# Altium PCB 4G_V4.1_5X4.PcbDoc (part 4 of 4)
Units mm, origin at the board's own origin, x right, y up, seen from the top; angles counter-clockwise.
Board outline 189.75 x 201.25 mm, 2 copper layers (Top Layer, Bottom Layer); 760 components, 0 nets, 5752 pads, 780 vias.
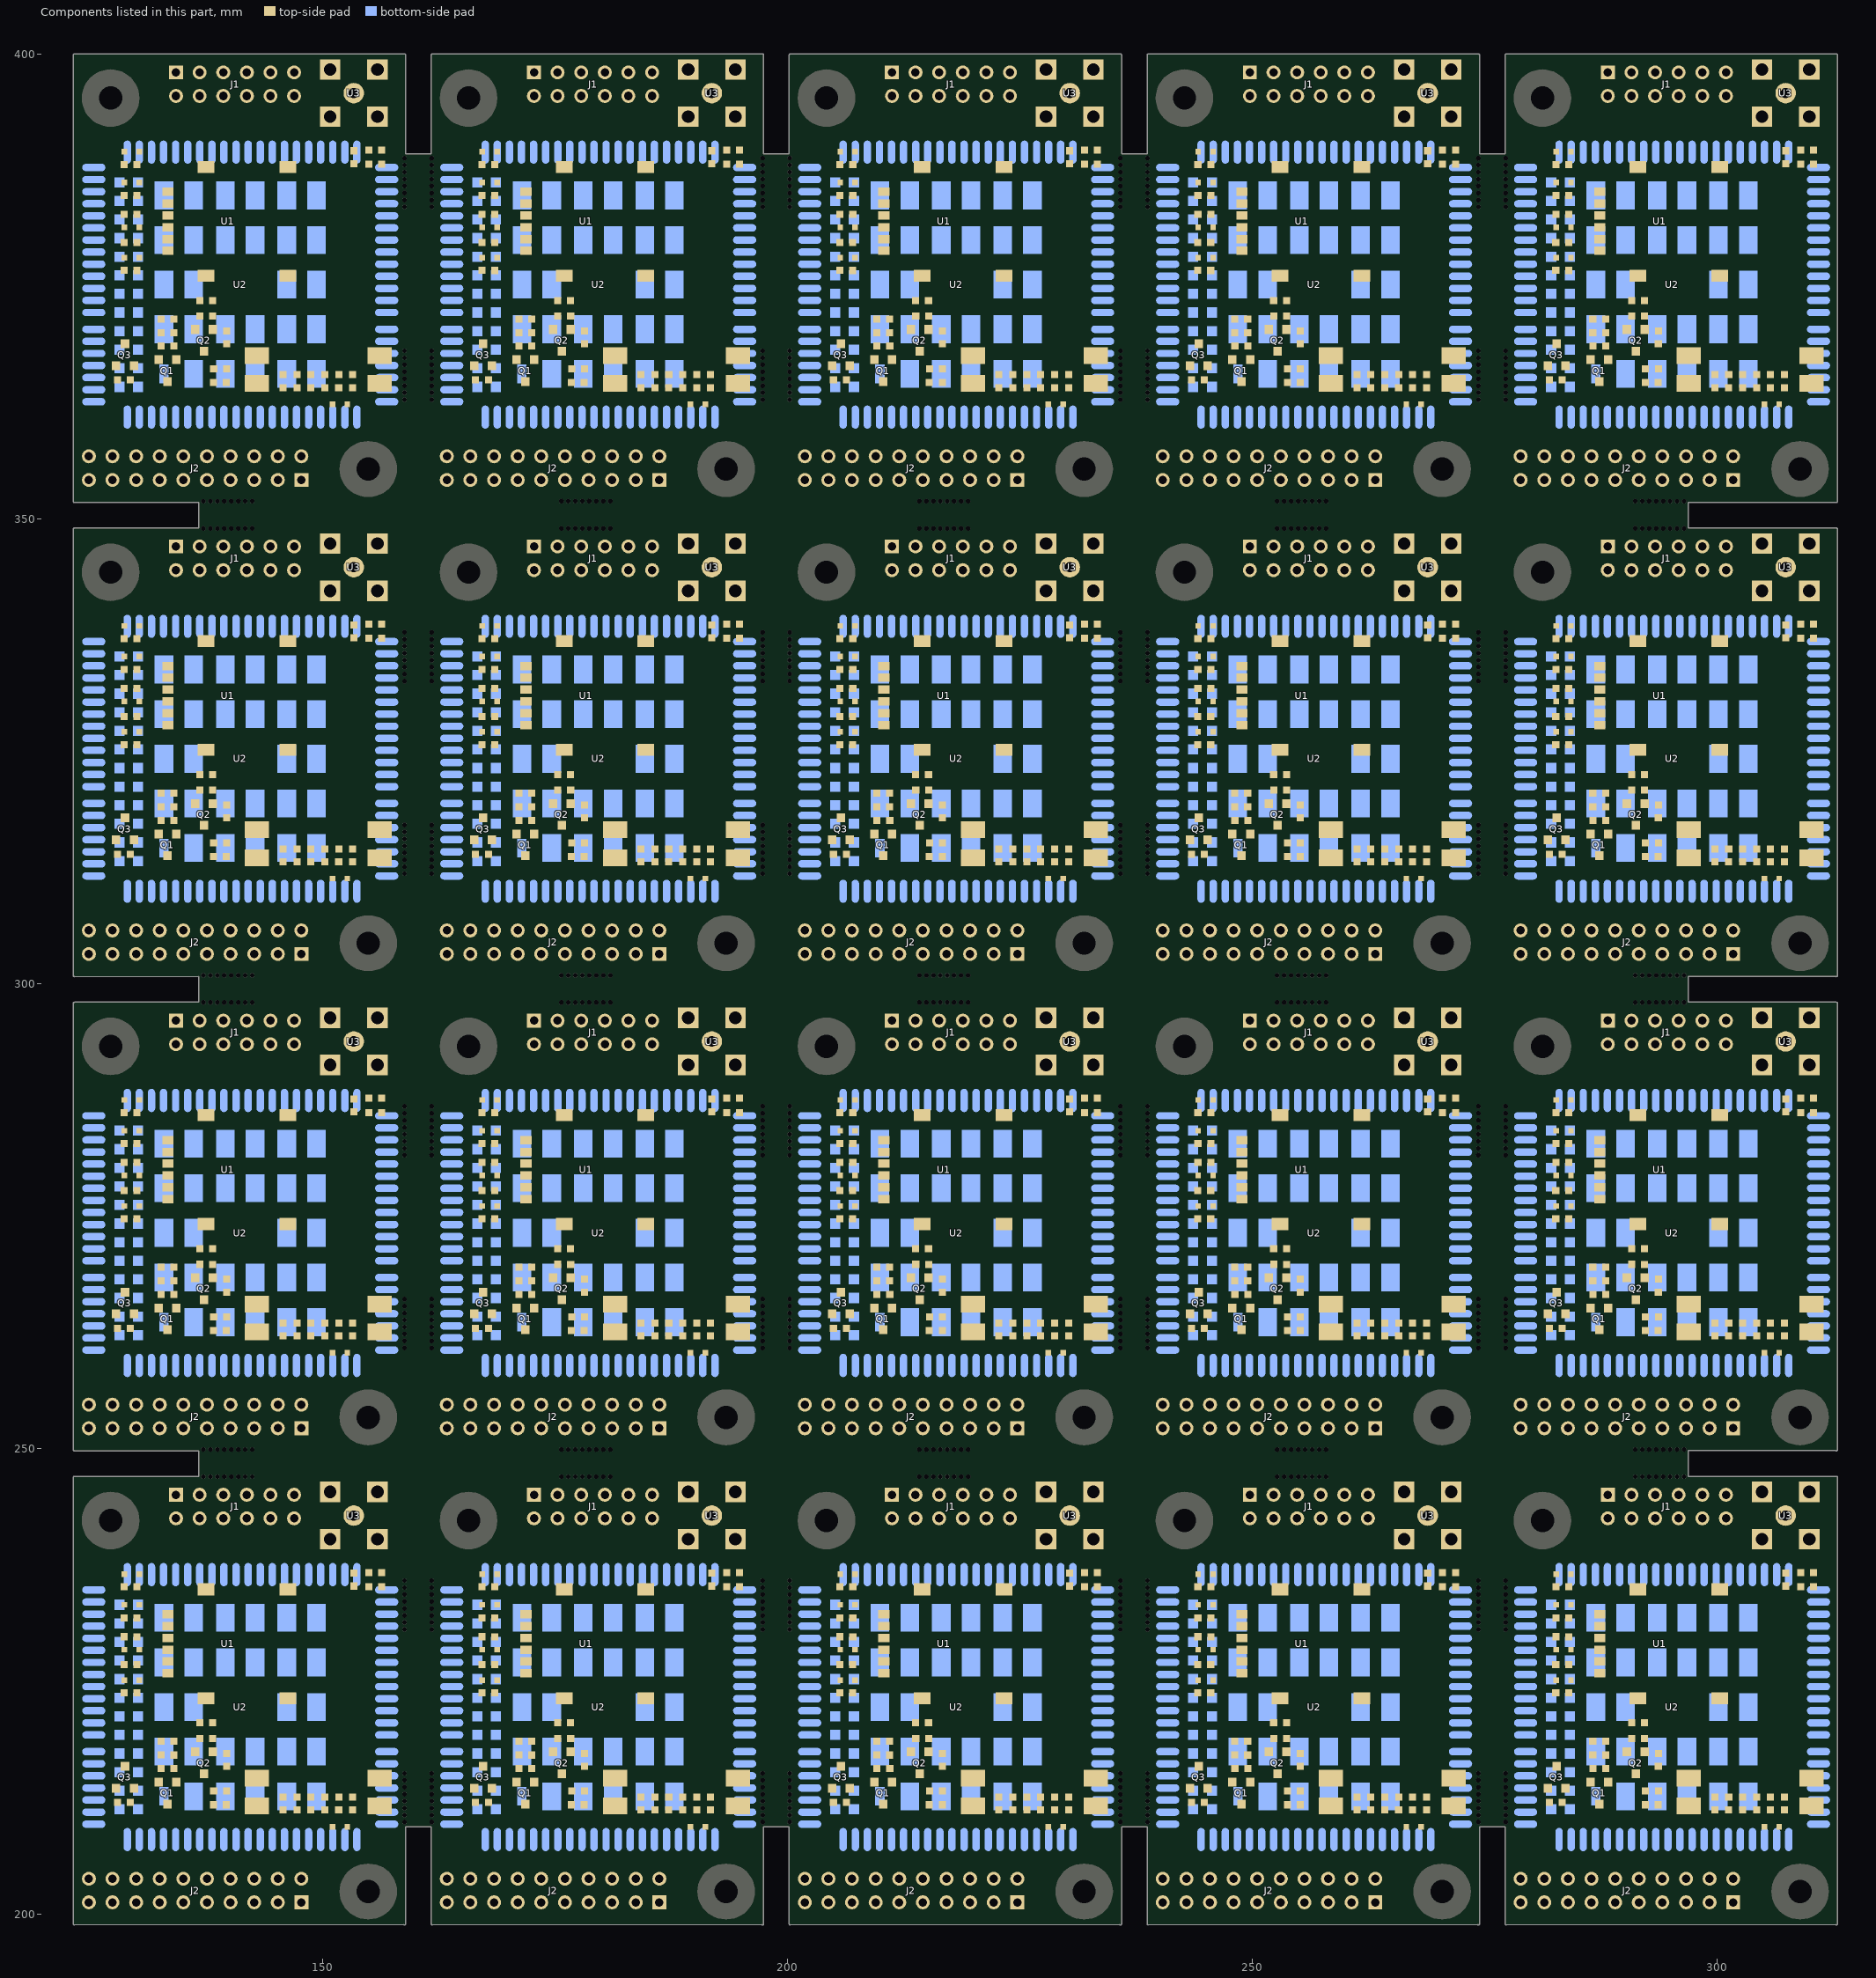
[diagram p4: the components of this part, seen from the top]

## Via types
v1: diameter 0.5, hole 0.3, Top Layer to Bottom Layer, tented both sides, 720 vias
v2: diameter 0.9, hole 0.7, Top Layer to Bottom Layer, tented both sides, 40 vias
v3: diameter 0.7, hole 0.5, Top Layer to Bottom Layer, tented both sides, 20 vias

## Nets (pads, with @x,y where several pads share a name; then routed paths per layer and width w, separated by ;. In a path a pad name is that pad's centre, name@x,y a point inside that pad or via, vN(x,y) a via of type N, cw(c..) or ccw(c..) an arc to the next point about the centre after c; other vN are vias at no path point) (continued)
copper on no net: (continued)
  Top Layer w0.7: 139.622,215.872 139.675,215.819 139.675,213.192 140.564,213.192 142.164,211.592 142.951,211.592 143.383,211.16 145.745,211.16 147.244,211.16 148.742,211.16 150.241,211.16 151.74,211.16 153.238,211.16 155.727,211.16 156.159,211.592 ; 139.622,266.872 139.675,266.819 139.675,264.192 140.564,264.192 142.164,262.592 142.951,262.592 143.383,262.16 145.745,262.16 147.244,262.16 148.742,262.16 150.241,262.16 151.74,262.16 153.238,262.16 155.727,262.16 156.159,262.592 ; 139.622,317.872 139.675,317.819 139.675,315.192 140.564,315.192 142.164,313.592 142.951,313.592 143.383,313.16 145.745,313.16 147.244,313.16 148.742,313.16 150.241,313.16 151.74,313.16 153.238,313.16 155.727,313.16 156.159,313.592 ; 139.622,368.871 139.675,368.819 139.675,366.192 140.564,366.192 142.164,364.592 142.951,364.592 143.383,364.16 145.745,364.16 147.244,364.16 148.742,364.16 150.241,364.16 151.74,364.16 153.238,364.16 155.727,364.16 156.159,364.592 ; 147.726,201.228 145.186,201.228 145.186,203.768 147.726,203.768 148.498,204.54 v2(148.498,209.823) ; 147.726,252.228 145.186,252.228 145.186,254.768 147.726,254.768 148.498,255.54 v2(148.498,260.823) ; 147.726,303.228 145.186,303.228 145.186,305.768 147.726,305.768 148.498,306.54 v2(148.498,311.823) ; 147.726,354.228 145.186,354.228 145.186,356.768 147.726,356.768 148.498,357.54 v2(148.498,362.823) ; v2(149.798,209.825) 150.266,209.356 151.067,209.356 ; v2(149.798,260.825) 150.266,260.356 151.067,260.356 ; v2(149.798,311.825) 150.266,311.356 151.067,311.356 ; v2(149.798,362.825) 150.266,362.356 151.067,362.356 ; 178.122,215.872 178.175,215.819 178.175,213.192 179.064,213.192 180.664,211.592 181.451,211.592 181.883,211.16 184.245,211.16 185.744,211.16 187.242,211.16 188.741,211.16 190.24,211.16 191.738,211.16 194.227,211.16 194.659,211.592 ; 178.122,266.872 178.175,266.819 178.175,264.192 179.064,264.192 180.664,262.592 181.451,262.592 181.883,262.16 184.245,262.16 185.744,262.16 187.242,262.16 188.741,262.16 190.24,262.16 191.738,262.16 194.227,262.16 194.659,262.592 ; 178.122,317.872 178.175,317.819 178.175,315.192 179.064,315.192 180.664,313.592 181.451,313.592 181.883,313.16 184.245,313.16 185.744,313.16 187.242,313.16 188.741,313.16 190.24,313.16 191.738,313.16 194.227,313.16 194.659,313.592 ; 178.122,368.871 178.175,368.819 178.175,366.192 179.064,366.192 180.664,364.592 181.451,364.592 181.883,364.16 184.245,364.16 185.744,364.16 187.242,364.16 188.741,364.16 190.24,364.16 191.738,364.16 194.227,364.16 194.659,364.592 ; 186.226,201.228 183.686,201.228 183.686,203.768 186.226,203.768 186.998,204.54 v2(186.998,209.823) ; 186.226,252.228 183.686,252.228 183.686,254.768 186.226,254.768 186.998,255.54 v2(186.998,260.823) ; 186.226,303.228 183.686,303.228 183.686,305.768 186.226,305.768 186.998,306.54 v2(186.998,311.823) ; 186.226,354.228 183.686,354.228 183.686,356.768 186.226,356.768 186.998,357.54 v2(186.998,362.823) ; v2(188.298,209.825) 188.766,209.356 189.567,209.356 ; v2(188.298,260.825) 188.766,260.356 189.567,260.356 ; v2(188.298,311.825) 188.766,311.356 189.567,311.356 ; v2(188.298,362.825) 188.766,362.356 189.567,362.356 ; 216.622,215.872 216.675,215.819 216.675,213.192 217.564,213.192 219.164,211.592 219.951,211.592 220.383,211.16 222.745,211.16 224.244,211.16 225.742,211.16 227.241,211.16 228.74,211.16 230.238,211.16 232.727,211.16 233.159,211.592 ; 216.622,266.872 216.675,266.819 216.675,264.192 217.564,264.192 219.164,262.592 219.951,262.592 220.383,262.16 222.745,262.16 224.244,262.16 225.742,262.16 227.241,262.16 228.74,262.16 230.238,262.16 232.727,262.16 233.159,262.592 ; 216.622,317.872 216.675,317.819 216.675,315.192 217.564,315.192 219.164,313.592 219.951,313.592 220.383,313.16 222.745,313.16 224.244,313.16 225.742,313.16 227.241,313.16 228.74,313.16 230.238,313.16 232.727,313.16 233.159,313.592 ; 216.622,368.871 216.675,368.819 216.675,366.192 217.564,366.192 219.164,364.592 219.951,364.592 220.383,364.16 222.745,364.16 224.244,364.16 225.742,364.16 227.241,364.16 228.74,364.16 230.238,364.16 232.727,364.16 233.159,364.592 ; 224.726,201.228 222.186,201.228 222.186,203.768 224.726,203.768 225.498,204.54 v2(225.498,209.823) ; 224.726,252.228 222.186,252.228 222.186,254.768 224.726,254.768 225.498,255.54 v2(225.498,260.823) ; 224.726,303.228 222.186,303.228 222.186,305.768 224.726,305.768 225.498,306.54 v2(225.498,311.823) ; 224.726,354.228 222.186,354.228 222.186,356.768 224.726,356.768 225.498,357.54 v2(225.498,362.823) ; v2(226.798,209.825) 227.266,209.356 228.067,209.356 ; v2(226.798,260.825) 227.266,260.356 228.067,260.356 ; v2(226.798,311.825) 227.266,311.356 228.067,311.356 ; v2(226.798,362.825) 227.266,362.356 228.067,362.356 ; 255.122,215.872 255.175,215.819 255.175,213.192 256.064,213.192 257.664,211.592 258.451,211.592 258.883,211.16 261.245,211.16 262.744,211.16 264.242,211.16 265.741,211.16 267.24,211.16 268.738,211.16 271.227,211.16 271.659,211.592 ; 255.122,266.872 255.175,266.819 255.175,264.192 256.064,264.192 257.664,262.592 258.451,262.592 258.883,262.16 261.245,262.16 262.744,262.16 264.242,262.16 265.741,262.16 267.24,262.16 268.738,262.16 271.227,262.16 271.659,262.592 ; 255.122,317.872 255.175,317.819 255.175,315.192 256.064,315.192 257.664,313.592 258.451,313.592 258.883,313.16 261.245,313.16 262.744,313.16 264.242,313.16 265.741,313.16 267.24,313.16 268.738,313.16 271.227,313.16 271.659,313.592 ; 255.122,368.871 255.175,368.819 255.175,366.192 256.064,366.192 257.664,364.592 258.451,364.592 258.883,364.16 261.245,364.16 262.744,364.16 264.242,364.16 265.741,364.16 267.24,364.16 268.738,364.16 271.227,364.16 271.659,364.592 ; 263.226,201.228 260.686,201.228 260.686,203.768 263.226,203.768 263.998,204.54 v2(263.998,209.823) ; 263.226,252.228 260.686,252.228 260.686,254.768 263.226,254.768 263.998,255.54 v2(263.998,260.823) ; 263.226,303.228 260.686,303.228 260.686,305.768 263.226,305.768 263.998,306.54 v2(263.998,311.823) ; 263.226,354.228 260.686,354.228 260.686,356.768 263.226,356.768 263.998,357.54 v2(263.998,362.823) ; v2(265.298,209.825) 265.766,209.356 266.567,209.356 ; v2(265.298,260.825) 265.766,260.356 266.567,260.356 ; v2(265.298,311.825) 265.766,311.356 266.567,311.356 ; v2(265.298,362.825) 265.766,362.356 266.567,362.356 ; 293.622,215.872 293.675,215.819 293.675,213.192 294.564,213.192 296.164,211.592 296.951,211.592 297.383,211.16 299.745,211.16 301.244,211.16 302.742,211.16 304.241,211.16 305.74,211.16 307.238,211.16 309.727,211.16 310.159,211.592 ; 293.622,266.872 293.675,266.819 293.675,264.192 294.564,264.192 296.164,262.592 296.951,262.592 297.383,262.16 299.745,262.16 301.244,262.16 302.742,262.16 304.241,262.16 305.74,262.16 307.238,262.16 309.727,262.16 310.159,262.592 ; 293.622,317.872 293.675,317.819 293.675,315.192 294.564,315.192 296.164,313.592 296.951,313.592 297.383,313.16 299.745,313.16 301.244,313.16 302.742,313.16 304.241,313.16 305.74,313.16 307.238,313.16 309.727,313.16 310.159,313.592 ; 293.622,368.871 293.675,368.819 293.675,366.192 294.564,366.192 296.164,364.592 296.951,364.592 297.383,364.16 299.745,364.16 301.244,364.16 302.742,364.16 304.241,364.16 305.74,364.16 307.238,364.16 309.727,364.16 310.159,364.592 ; 301.726,201.228 299.186,201.228 299.186,203.768 301.726,203.768 302.498,204.54 v2(302.498,209.823) ; 301.726,252.228 299.186,252.228 299.186,254.768 301.726,254.768 302.498,255.54 v2(302.498,260.823) ; 301.726,303.228 299.186,303.228 299.186,305.768 301.726,305.768 302.498,306.54 v2(302.498,311.823) ; 301.726,354.228 299.186,354.228 299.186,356.768 301.726,356.768 302.498,357.54 v2(302.498,362.823) ; v2(303.798,209.825) 304.266,209.356 305.067,209.356 ; v2(303.798,260.825) 304.266,260.356 305.067,260.356 ; v2(303.798,311.825) 304.266,311.356 305.067,311.356 ; v2(303.798,362.825) 304.266,362.356 305.067,362.356
  Bottom Layer w0.254: 125.398,224.434 126.457,224.434 v1(126.975,224.952) ; 125.398,229.634 126.306,229.634 v1(126.924,229.016) ; 125.398,230.934 126.403,230.934 v1(127.025,230.311) ; 125.398,232.234 v1(127.043,232.234) ; 125.398,233.534 126.387,233.534 v1(127.508,234.655) ; 125.398,275.434 126.457,275.434 v1(126.975,275.952) ; 125.398,280.634 126.306,280.634 v1(126.924,280.016) ; 125.398,281.934 126.403,281.934 v1(127.025,281.311) ; 125.398,283.234 v1(127.043,283.234) ; 125.398,284.534 126.387,284.534 v1(127.508,285.655) ; 125.398,326.434 126.457,326.434 v1(126.975,326.952) ; 125.398,331.634 126.306,331.634 v1(126.924,331.016) ; 125.398,332.934 126.403,332.934 v1(127.025,332.311) ; 125.398,334.234 v1(127.043,334.234) ; 125.398,335.534 126.387,335.534 v1(127.508,336.655) ; 125.398,377.434 126.457,377.434 v1(126.975,377.952) ; 125.398,382.634 126.306,382.634 v1(126.924,382.016) ; 125.398,383.934 126.403,383.934 v1(127.025,383.311) ; 125.398,385.234 v1(127.043,385.234) ; 125.398,386.534 126.387,386.534 v1(127.508,387.655) ; v1(134.198,234.766) 134.198,236.484 ; v1(134.198,285.766) 134.198,287.484 ; v1(134.198,336.766) 134.198,338.484 ; v1(134.198,387.766) 134.198,389.484 ; v1(135.636,210.22) 136.347,210.22 136.798,209.769 136.798,207.984 ; v1(135.636,261.22) 136.347,261.22 136.798,260.769 136.798,258.984 ; v1(135.636,312.22) 136.347,312.22 136.798,311.769 136.798,309.984 ; v1(135.636,363.22) 136.347,363.22 136.798,362.769 136.798,360.984 ; 138.098,207.984 v1(138.098,209.739) ; 138.098,258.984 v1(138.098,260.739) ; 138.098,309.984 v1(138.098,311.739) ; 138.098,360.984 v1(138.098,362.739) ; 145.898,207.984 v1(145.898,209.763) ; 145.898,258.984 v1(145.898,260.763) ; 145.898,309.984 v1(145.898,311.763) ; 145.898,360.984 v1(145.898,362.763) ; 163.898,224.434 164.957,224.434 v1(165.475,224.952) ; 163.898,229.634 164.806,229.634 v1(165.424,229.016) ; 163.898,230.934 164.903,230.934 v1(165.525,230.311) ; 163.898,232.234 v1(165.543,232.234) ; 163.898,233.534 164.887,233.534 v1(166.008,234.655) ; 163.898,275.434 164.957,275.434 v1(165.475,275.952) ; 163.898,280.634 164.806,280.634 v1(165.424,280.016) ; 163.898,281.934 164.903,281.934 v1(165.525,281.311) ; 163.898,283.234 v1(165.543,283.234) ; 163.898,284.534 164.887,284.534 v1(166.008,285.655) ; 163.898,326.434 164.957,326.434 v1(165.475,326.952) ; 163.898,331.634 164.806,331.634 v1(165.424,331.016) ; 163.898,332.934 164.903,332.934 v1(165.525,332.311) ; 163.898,334.234 v1(165.543,334.234) ; 163.898,335.534 164.887,335.534 v1(166.008,336.655) ; 163.898,377.434 164.957,377.434 v1(165.475,377.952) ; 163.898,382.634 164.806,382.634 v1(165.424,382.016) ; 163.898,383.934 164.903,383.934 v1(165.525,383.311) ; 163.898,385.234 v1(165.543,385.234) ; 163.898,386.534 164.887,386.534 v1(166.008,387.655) ; v1(172.698,234.766) 172.698,236.484 ; v1(172.698,285.766) 172.698,287.484 ; v1(172.698,336.766) 172.698,338.484 ; v1(172.698,387.766) 172.698,389.484 ; v1(174.136,210.22) 174.847,210.22 175.298,209.769 175.298,207.984 ; v1(174.136,261.22) 174.847,261.22 175.298,260.769 175.298,258.984 ; v1(174.136,312.22) 174.847,312.22 175.298,311.769 175.298,309.984 ; v1(174.136,363.22) 174.847,363.22 175.298,362.769 175.298,360.984 ; 176.598,207.984 v1(176.598,209.739) ; 176.598,258.984 v1(176.598,260.739) ; 176.598,309.984 v1(176.598,311.739) ; 176.598,360.984 v1(176.598,362.739) ; 184.398,207.984 v1@184.398,209.763 ; 184.398,258.984 v1@184.398,260.763 ; 184.398,309.984 v1@184.398,311.763 ; 184.398,360.984 v1@184.398,362.763 ; 202.398,224.434 203.457,224.434 v1(203.975,224.952) ; 202.398,229.634 203.306,229.634 v1(203.924,229.016) ; 202.398,230.934 203.403,230.934 v1(204.025,230.311) ; 202.398,232.234 v1(204.043,232.234) ; 202.398,233.534 203.387,233.534 v1(204.508,234.655) ; 202.398,275.434 203.457,275.434 v1(203.975,275.952) ; 202.398,280.634 203.306,280.634 v1(203.924,280.016) ; 202.398,281.934 203.403,281.934 v1(204.025,281.311) ; 202.398,283.234 v1(204.043,283.234) ; 202.398,284.534 203.387,284.534 v1(204.508,285.655) ; 202.398,326.434 203.457,326.434 v1(203.975,326.952) ; 202.398,331.634 203.306,331.634 v1(203.924,331.016) ; 202.398,332.934 203.403,332.934 v1(204.025,332.311) ; 202.398,334.234 v1(204.043,334.234) ; 202.398,335.534 203.387,335.534 v1(204.508,336.655) ; 202.398,377.434 203.457,377.434 v1(203.975,377.952) ; 202.398,382.634 203.306,382.634 v1(203.924,382.016) ; 202.398,383.934 203.403,383.934 v1(204.025,383.311) ; 202.398,385.234 v1(204.043,385.234) ; 202.398,386.534 203.387,386.534 v1(204.508,387.655) ; v1(211.198,234.766) 211.198,236.484 ; v1(211.198,285.766) 211.198,287.484 ; v1(211.198,336.766) 211.198,338.484 ; v1(211.198,387.766) 211.198,389.484 ; v1(212.636,210.22) 213.347,210.22 213.798,209.769 213.798,207.984 ; v1(212.636,261.22) 213.347,261.22 213.798,260.769 213.798,258.984 ; v1(212.636,312.22) 213.347,312.22 213.798,311.769 213.798,309.984 ; v1(212.636,363.22) 213.347,363.22 213.798,362.769 213.798,360.984 ; 215.098,207.984 v1(215.098,209.739) ; 215.098,258.984 v1(215.098,260.739) ; 215.098,309.984 v1(215.098,311.739) ; 215.098,360.984 v1(215.098,362.739) ; 222.898,207.984 v1(222.898,209.763) ; 222.898,258.984 v1(222.898,260.763) ; 222.898,309.984 v1(222.898,311.763) ; 222.898,360.984 v1(222.898,362.763) ; 240.898,224.434 241.957,224.434 v1(242.475,224.952) ; 240.898,229.634 241.806,229.634 v1(242.424,229.016) ; 240.898,230.934 241.903,230.934 v1(242.525,230.311) ; 240.898,232.234 v1(242.543,232.234) ; 240.898,233.534 241.887,233.534 v1(243.008,234.655) ; 240.898,275.434 241.957,275.434 v1(242.475,275.952) ; 240.898,280.634 241.806,280.634 v1(242.424,280.016) ; 240.898,281.934 241.903,281.934 v1(242.525,281.311) ; 240.898,283.234 v1(242.543,283.234) ; 240.898,284.534 241.887,284.534 v1(243.008,285.655) ; 240.898,326.434 241.957,326.434 v1(242.475,326.952) ; 240.898,331.634 241.806,331.634 v1(242.424,331.016) ; 240.898,332.934 241.903,332.934 v1(242.525,332.311) ; 240.898,334.234 v1(242.543,334.234) ; 240.898,335.534 241.887,335.534 v1(243.008,336.655) ; 240.898,377.434 241.957,377.434 v1(242.475,377.952) ; 240.898,382.634 241.806,382.634 v1(242.424,382.016) ; 240.898,383.934 241.903,383.934 v1(242.525,383.311) ; 240.898,385.234 v1(242.543,385.234) ; 240.898,386.534 241.887,386.534 v1(243.008,387.655) ; v1(249.698,234.766) 249.698,236.484 ; v1(249.698,285.766) 249.698,287.484 ; v1(249.698,336.766) 249.698,338.484 ; v1(249.698,387.766) 249.698,389.484 ; v1(251.136,210.22) 251.847,210.22 252.298,209.769 252.298,207.984 ; v1(251.136,261.22) 251.847,261.22 252.298,260.769 252.298,258.984 ; v1(251.136,312.22) 251.847,312.22 252.298,311.769 252.298,309.984 ; v1(251.136,363.22) 251.847,363.22 252.298,362.769 252.298,360.984 ; 253.598,207.984 v1(253.598,209.739) ; 253.598,258.984 v1(253.598,260.739) ; 253.598,309.984 v1(253.598,311.739) ; 253.598,360.984 v1(253.598,362.739) ; 261.398,207.984 v1@261.398,209.763 ; 261.398,258.984 v1@261.398,260.763 ; 261.398,309.984 v1@261.398,311.763 ; 261.398,360.984 v1@261.398,362.763 ; 279.398,224.434 280.457,224.434 v1(280.975,224.952) ; 279.398,229.634 280.306,229.634 v1(280.924,229.016) ; 279.398,230.934 280.403,230.934 v1(281.025,230.311) ; 279.398,232.234 v1(281.043,232.234) ; 279.398,233.534 280.387,233.534 v1(281.508,234.655) ; 279.398,275.434 280.457,275.434 v1(280.975,275.952) ; 279.398,280.634 280.306,280.634 v1(280.924,280.016) ; 279.398,281.934 280.403,281.934 v1(281.025,281.311) ; 279.398,283.234 v1(281.043,283.234) ; 279.398,284.534 280.387,284.534 v1(281.508,285.655) ; 279.398,326.434 280.457,326.434 v1(280.975,326.952) ; 279.398,331.634 280.306,331.634 v1(280.924,331.016) ; 279.398,332.934 280.403,332.934 v1(281.025,332.311) ; 279.398,334.234 v1(281.043,334.234) ; 279.398,335.534 280.387,335.534 v1(281.508,336.655) ; 279.398,377.434 280.457,377.434 v1(280.975,377.952) ; 279.398,382.634 280.306,382.634 v1(280.924,382.016) ; 279.398,383.934 280.403,383.934 v1(281.025,383.311) ; 279.398,385.234 v1(281.043,385.234) ; 279.398,386.534 280.387,386.534 v1(281.508,387.655) ; v1(288.198,234.766) 288.198,236.484 ; v1(288.198,285.766) 288.198,287.484 ; v1(288.198,336.766) 288.198,338.484 ; v1(288.198,387.766) 288.198,389.484 ; v1(289.636,210.22) 290.347,210.22 290.798,209.769 290.798,207.984 ; v1(289.636,261.22) 290.347,261.22 290.798,260.769 290.798,258.984 ; v1(289.636,312.22) 290.347,312.22 290.798,311.769 290.798,309.984 ; v1(289.636,363.22) 290.347,363.22 290.798,362.769 290.798,360.984 ; 292.098,207.984 v1(292.098,209.739) ; 292.098,258.984 v1(292.098,260.739) ; 292.098,309.984 v1(292.098,311.739) ; 292.098,360.984 v1(292.098,362.739) ; 299.898,207.984 v1(299.898,209.763) ; 299.898,258.984 v1(299.898,260.763) ; 299.898,309.984 v1(299.898,311.763) ; 299.898,360.984 v1(299.898,362.763)
  Bottom Layer w0.3: 125.398,217.434 126.061,217.434 v1(126.848,218.221) ; 125.398,268.434 126.061,268.434 v1(126.848,269.221) ; 125.398,319.434 126.061,319.434 v1(126.848,320.221) ; 125.398,370.434 126.061,370.434 v1(126.848,371.221) ; 163.898,217.434 164.561,217.434 v1(165.348,218.221) ; 163.898,268.434 164.561,268.434 v1(165.348,269.221) ; 163.898,319.434 164.561,319.434 v1(165.348,320.221) ; 163.898,370.434 164.561,370.434 v1(165.348,371.221) ; 202.398,217.434 203.061,217.434 v1(203.848,218.221) ; 202.398,268.434 203.061,268.434 v1(203.848,269.221) ; 202.398,319.434 203.061,319.434 v1(203.848,320.221) ; 202.398,370.434 203.061,370.434 v1(203.848,371.221) ; 240.898,217.434 241.561,217.434 v1(242.348,218.221) ; 240.898,268.434 241.561,268.434 v1(242.348,269.221) ; 240.898,319.434 241.561,319.434 v1(242.348,320.221) ; 240.898,370.434 241.561,370.434 v1(242.348,371.221) ; 279.398,217.434 280.061,217.434 v1(280.848,218.221) ; 279.398,268.434 280.061,268.434 v1(280.848,269.221) ; 279.398,319.434 280.061,319.434 v1(280.848,320.221) ; 279.398,370.434 280.061,370.434 v1(280.848,371.221)
  Bottom Layer w0.5: v3(153.341,233.917) 153.341,217.026 154.229,216.138 156.894,216.138 156.898,216.134 ; v3(153.341,284.917) 153.341,268.026 154.229,267.138 156.894,267.138 156.898,267.134 ; v3(153.341,335.917) 153.341,319.026 154.229,318.138 156.894,318.138 156.898,318.134 ; v3(153.341,386.917) 153.341,370.026 154.229,369.138 156.894,369.138 156.898,369.134 ; v3(191.841,233.917) 191.841,217.026 192.729,216.138 195.394,216.138 195.398,216.134 ; v3(191.841,284.917) 191.841,268.026 192.729,267.138 195.394,267.138 195.398,267.134 ; v3(191.841,335.917) 191.841,319.026 192.729,318.138 195.394,318.138 195.398,318.134 ; v3(191.841,386.917) 191.841,370.026 192.729,369.138 195.394,369.138 195.398,369.134 ; v3(230.341,233.917) 230.341,217.026 231.229,216.138 233.894,216.138 233.898,216.134 ; v3(230.341,284.917) 230.341,268.026 231.229,267.138 233.894,267.138 233.898,267.134 ; v3(230.341,335.917) 230.341,319.026 231.229,318.138 233.894,318.138 233.898,318.134 ; v3(230.341,386.917) 230.341,370.026 231.229,369.138 233.894,369.138 233.898,369.134 ; v3(268.841,233.917) 268.841,217.026 269.729,216.138 272.394,216.138 272.398,216.134 ; v3(268.841,284.917) 268.841,268.026 269.729,267.138 272.394,267.138 272.398,267.134 ; v3(268.841,335.917) 268.841,319.026 269.729,318.138 272.394,318.138 272.398,318.134 ; v3(268.841,386.917) 268.841,370.026 269.729,369.138 272.394,369.138 272.398,369.134 ; v3(307.341,233.917) 307.341,217.026 308.229,216.138 310.894,216.138 310.898,216.134 ; v3(307.341,284.917) 307.341,268.026 308.229,267.138 310.894,267.138 310.898,267.134 ; v3(307.341,335.917) 307.341,319.026 308.229,318.138 310.894,318.138 310.898,318.134 ; v3(307.341,386.917) 307.341,370.026 308.229,369.138 310.894,369.138 310.898,369.134
  Bottom Layer w0.7: 148.498,207.984 v2(148.498,209.823) ; 148.498,258.984 v2(148.498,260.823) ; 148.498,309.984 v2(148.498,311.823) ; 148.498,360.984 v2(148.498,362.823) ; 149.798,207.984 v2(149.798,209.825) ; 149.798,258.984 v2(149.798,260.825) ; 149.798,309.984 v2(149.798,311.825) ; 149.798,360.984 v2(149.798,362.825) ; 186.998,207.984 v2(186.998,209.823) ; 186.998,258.984 v2(186.998,260.823) ; 186.998,309.984 v2(186.998,311.823) ; 186.998,360.984 v2(186.998,362.823) ; 188.298,207.984 v2(188.298,209.825) ; 188.298,258.984 v2(188.298,260.825) ; 188.298,309.984 v2(188.298,311.825) ; 188.298,360.984 v2(188.298,362.825) ; 225.498,207.984 v2(225.498,209.823) ; 225.498,258.984 v2(225.498,260.823) ; 225.498,309.984 v2(225.498,311.823) ; 225.498,360.984 v2(225.498,362.823) ; 226.798,207.984 v2(226.798,209.825) ; 226.798,258.984 v2(226.798,260.825) ; 226.798,309.984 v2(226.798,311.825) ; 226.798,360.984 v2(226.798,362.825) ; 263.998,207.984 v2(263.998,209.823) ; 263.998,258.984 v2(263.998,260.823) ; 263.998,309.984 v2(263.998,311.823) ; 263.998,360.984 v2(263.998,362.823) ; 265.298,207.984 v2(265.298,209.825) ; 265.298,258.984 v2(265.298,260.825) ; 265.298,309.984 v2(265.298,311.825) ; 265.298,360.984 v2(265.298,362.825) ; 302.498,207.984 v2(302.498,209.823) ; 302.498,258.984 v2(302.498,260.823) ; 302.498,309.984 v2(302.498,311.823) ; 302.498,360.984 v2(302.498,362.823) ; 303.798,207.984 v2(303.798,209.825) ; 303.798,258.984 v2(303.798,260.825) ; 303.798,309.984 v2(303.798,311.825) ; 303.798,360.984 v2(303.798,362.825)
  other v1: 151.943,216.68 190.443,216.68 228.943,216.68 267.443,216.68 305.943,216.68 151.943,218.18 154.813,218.18 190.443,218.18 193.313,218.18 228.943,218.18 231.813,218.18 267.443,218.18 270.313,218.18 305.943,218.18 308.813,218.18 151.943,219.68 154.813,219.68 190.443,219.68 193.313,219.68 228.943,219.68 231.813,219.68 267.443,219.68 270.313,219.68 305.943,219.68 308.813,219.68 151.943,221.18 154.813,221.18 190.443,221.18 193.313,221.18 228.943,221.18 231.813,221.18 267.443,221.18 270.313,221.18 305.943,221.18 308.813,221.18 151.943,222.68 154.813,222.68 190.443,222.68 193.313,222.68 228.943,222.68 231.813,222.68 267.443,222.68 270.313,222.68 305.943,222.68 308.813,222.68 151.943,224.18 154.813,224.18 190.443,224.18 193.313,224.18 228.943,224.18 231.813,224.18 267.443,224.18 270.313,224.18 305.943,224.18 308.813,224.18 131.623,224.596 170.123,224.596 208.623,224.596 247.123,224.596 285.623,224.596 151.943,225.68 154.813,225.68 190.443,225.68 193.313,225.68 228.943,225.68 231.813,225.68 267.443,225.68 270.313,225.68 305.943,225.68 308.813,225.68 151.943,227.18 154.813,227.18 190.443,227.18 193.313,227.18 228.943,227.18 231.813,227.18 267.443,227.18 270.313,227.18 305.943,227.18 308.813,227.18 151.943,228.68 154.813,228.68 190.443,228.68 193.313,228.68 228.943,228.68 231.813,228.68 267.443,228.68 270.313,228.68 305.943,228.68 308.813,228.68 131.572,229.346 170.072,229.346 208.572,229.346 247.072,229.346 285.572,229.346 151.943,230.18 154.813,230.18 190.443,230.18 193.313,230.18 228.943,230.18 231.813,230.18 267.443,230.18 270.313,230.18 305.943,230.18 308.813,230.18 151.943,231.68 154.813,231.68 190.443,231.68 193.313,231.68 228.943,231.68 231.813,231.68 267.443,231.68 270.313,231.68 305.943,231.68 308.813,231.68 151.943,233.18 154.813,233.18 190.443,233.18 193.313,233.18 228.943,233.18 231.813,233.18 267.443,233.18 270.313,233.18 305.943,233.18 308.813,233.18 151.943,234.68 190.443,234.68 228.943,234.68 267.443,234.68 305.943,234.68 151.943,267.68 190.443,267.68 228.943,267.68 267.443,267.68 305.943,267.68 151.943,269.18 154.813,269.18 190.443,269.18 193.313,269.18 228.943,269.18 231.813,269.18 267.443,269.18 270.313,269.18 305.943,269.18 308.813,269.18 151.943,270.68 154.813,270.68 190.443,270.68 193.313,270.68 228.943,270.68 231.813,270.68 267.443,270.68 270.313,270.68 305.943,270.68 308.813,270.68 151.943,272.18 154.813,272.18 190.443,272.18 193.313,272.18 228.943,272.18 231.813,272.18 267.443,272.18 270.313,272.18 305.943,272.18 308.813,272.18 151.943,273.68 154.813,273.68 190.443,273.68 193.313,273.68 228.943,273.68 231.813,273.68 267.443,273.68 270.313,273.68 305.943,273.68 308.813,273.68 151.943,275.18 154.813,275.18 190.443,275.18 193.313,275.18 228.943,275.18 231.813,275.18 267.443,275.18 270.313,275.18 305.943,275.18 308.813,275.18 131.623,275.596 170.123,275.596 208.623,275.596 247.123,275.596 285.623,275.596 151.943,276.68 154.813,276.68 190.443,276.68 193.313,276.68 228.943,276.68 231.813,276.68 267.443,276.68 270.313,276.68 305.943,276.68 308.813,276.68 151.943,278.18 154.813,278.18 190.443,278.18 193.313,278.18 228.943,278.18 231.813,278.18 267.443,278.18 270.313,278.18 305.943,278.18 308.813,278.18 151.943,279.68 154.813,279.68 190.443,279.68 193.313,279.68 228.943,279.68 231.813,279.68 267.443,279.68 270.313,279.68 305.943,279.68 308.813,279.68 131.572,280.346 170.072,280.346 208.572,280.346 247.072,280.346 285.572,280.346 151.943,281.18 154.813,281.18 190.443,281.18 193.313,281.18 228.943,281.18 231.813,281.18 267.443,281.18 270.313,281.18 305.943,281.18 308.813,281.18 151.943,282.68 154.813,282.68 190.443,282.68 193.313,282.68 228.943,282.68 231.813,282.68 267.443,282.68 270.313,282.68 305.943,282.68 308.813,282.68 151.943,284.18 154.813,284.18 190.443,284.18 193.313,284.18 228.943,284.18 231.813,284.18 267.443,284.18 270.313,284.18 305.943,284.18 308.813,284.18 151.943,285.68 190.443,285.68 228.943,285.68 267.443,285.68 305.943,285.68 151.943,318.68 190.443,318.68 228.943,318.68 267.443,318.68 305.943,318.68 151.943,320.18 154.813,320.18 190.443,320.18 193.313,320.18 228.943,320.18 231.813,320.18 267.443,320.18 270.313,320.18 305.943,320.18 308.813,320.18 151.943,321.68 154.813,321.68 190.443,321.68 193.313,321.68 228.943,321.68 231.813,321.68 267.443,321.68 270.313,321.68 305.943,321.68 308.813,321.68 151.943,323.18 154.813,323.18 190.443,323.18 193.313,323.18 228.943,323.18 231.813,323.18 267.443,323.18 270.313,323.18 305.943,323.18 308.813,323.18 151.943,324.68 154.813,324.68 190.443,324.68 193.313,324.68 228.943,324.68 231.813,324.68 267.443,324.68 270.313,324.68 305.943,324.68 308.813,324.68 151.943,326.18 154.813,326.18 190.443,326.18 193.313,326.18 228.943,326.18 231.813,326.18 267.443,326.18 270.313,326.18 305.943,326.18 308.813,326.18 131.623,326.596 170.123,326.596 208.623,326.596 247.123,326.596 285.623,326.596 151.943,327.68 154.813,327.68 190.443,327.68 193.313,327.68 228.943,327.68 231.813,327.68 267.443,327.68 270.313,327.68 305.943,327.68 308.813,327.68 151.943,329.18 154.813,329.18 190.443,329.18 193.313,329.18 228.943,329.18 231.813,329.18 267.443,329.18 270.313,329.18 305.943,329.18 308.813,329.18 151.943,330.68 154.813,330.68 190.443,330.68 193.313,330.68 228.943,330.68 231.813,330.68 267.443,330.68 270.313,330.68 305.943,330.68 308.813,330.68 131.572,331.346 170.072,331.346 208.572,331.346 247.072,331.346 285.572,331.346 151.943,332.18 154.813,332.18 190.443,332.18 193.313,332.18 228.943,332.18 231.813,332.18 267.443,332.18 270.313,332.18 305.943,332.18 308.813,332.18 151.943,333.68 154.813,333.68 190.443,333.68 193.313,333.68 228.943,333.68 231.813,333.68 267.443,333.68 270.313,333.68 305.943,333.68 308.813,333.68 151.943,335.18 154.813,335.18 190.443,335.18 193.313,335.18 228.943,335.18 231.813,335.18 267.443,335.18 270.313,335.18 305.943,335.18 308.813,335.18 151.943,336.68 190.443,336.68 228.943,336.68 267.443,336.68 305.943,336.68 151.943,369.68 190.443,369.68 228.943,369.68 267.443,369.68 305.943,369.68 151.943,371.18 154.813,371.18 190.443,371.18 193.313,371.18 228.943,371.18 231.813,371.18 267.443,371.18 270.313,371.18 305.943,371.18 308.813,371.18 151.943,372.68 154.813,372.68 190.443,372.68 193.313,372.68 228.943,372.68 231.813,372.68 267.443,372.68 270.313,372.68 305.943,372.68 308.813,372.68 151.943,374.18 154.813,374.18 190.443,374.18 193.313,374.18 228.943,374.18 231.813,374.18 267.443,374.18 270.313,374.18 305.943,374.18 308.813,374.18 151.943,375.68 154.813,375.68 190.443,375.68 193.313,375.68 228.943,375.68 231.813,375.68 267.443,375.68 270.313,375.68 305.943,375.68 308.813,375.68 151.943,377.18 154.813,377.18 190.443,377.18 193.313,377.18 228.943,377.18 231.813,377.18 267.443,377.18 270.313,377.18 305.943,377.18 308.813,377.18 131.623,377.596 170.123,377.596 208.623,377.596 247.123,377.596 285.623,377.596 151.943,378.68 154.813,378.68 190.443,378.68 193.313,378.68 228.943,378.68 231.813,378.68 267.443,378.68 270.313,378.68 305.943,378.68 308.813,378.68 151.943,380.18 154.813,380.18 190.443,380.18 193.313,380.18 228.943,380.18 231.813,380.18 267.443,380.18 270.313,380.18 305.943,380.18 308.813,380.18 151.943,381.68 154.813,381.68 190.443,381.68 193.313,381.68 228.943,381.68 231.813,381.68 267.443,381.68 270.313,381.68 305.943,381.68 308.813,381.68 131.572,382.346 170.072,382.346 208.572,382.346 247.072,382.346 285.572,382.346 151.943,383.18 154.813,383.18 190.443,383.18 193.313,383.18 228.943,383.18 231.813,383.18 267.443,383.18 270.313,383.18 305.943,383.18 308.813,383.18 151.943,384.68 154.813,384.68 190.443,384.68 193.313,384.68 228.943,384.68 231.813,384.68 267.443,384.68 270.313,384.68 305.943,384.68 308.813,384.68 151.943,386.18 154.813,386.18 190.443,386.18 193.313,386.18 228.943,386.18 231.813,386.18 267.443,386.18 270.313,386.18 305.943,386.18 308.813,386.18 151.943,387.68 190.443,387.68 228.943,387.68 267.443,387.68 305.943,387.68

## Polygon pours and split planes (outlines as drawn)
no net on Bottom Layer "GND" (solid, remove dead copper, pour order 4): 123.317,246.923 158.817,246.923 158.817,198.952 158.788,198.923 123.317,198.923
no net on Bottom Layer "GND" (solid, remove dead copper, pour order 4): 161.817,246.923 197.317,246.923 197.317,198.952 197.288,198.923 161.817,198.923
no net on Bottom Layer "GND" (solid, remove dead copper, pour order 4): 200.317,246.923 235.817,246.923 235.817,198.952 235.788,198.923 200.317,198.923
no net on Bottom Layer "GND" (solid, remove dead copper, pour order 4): 238.817,246.923 274.317,246.923 274.317,198.952 274.288,198.923 238.817,198.923
no net on Bottom Layer "GND" (solid, remove dead copper, pour order 4): 277.317,246.923 312.817,246.923 312.817,198.952 312.788,198.923 277.317,198.923
no net on Bottom Layer "GND" (solid, remove dead copper, pour order 4): 123.317,297.923 158.817,297.923 158.817,249.952 158.788,249.923 123.317,249.923
no net on Bottom Layer "GND" (solid, remove dead copper, pour order 4): 161.817,297.923 197.317,297.923 197.317,249.952 197.288,249.923 161.817,249.923
no net on Bottom Layer "GND" (solid, remove dead copper, pour order 4): 200.317,297.923 235.817,297.923 235.817,249.952 235.788,249.923 200.317,249.923
no net on Bottom Layer "GND" (solid, remove dead copper, pour order 4): 238.817,297.923 274.317,297.923 274.317,249.952 274.288,249.923 238.817,249.923
no net on Bottom Layer "GND" (solid, remove dead copper, pour order 4): 277.317,297.923 312.817,297.923 312.817,249.952 312.788,249.923 277.317,249.923
no net on Bottom Layer "GND" (solid, remove dead copper, pour order 4): 123.317,348.923 158.817,348.923 158.817,300.952 158.788,300.923 123.317,300.923
no net on Bottom Layer "GND" (solid, remove dead copper, pour order 4): 161.817,348.923 197.317,348.923 197.317,300.952 197.288,300.923 161.817,300.923
no net on Bottom Layer "GND" (solid, remove dead copper, pour order 4): 200.317,348.923 235.817,348.923 235.817,300.952 235.788,300.923 200.317,300.923
no net on Bottom Layer "GND" (solid, remove dead copper, pour order 4): 238.817,348.923 274.317,348.923 274.317,300.952 274.288,300.923 238.817,300.923
no net on Bottom Layer "GND" (solid, remove dead copper, pour order 4): 277.317,348.923 312.817,348.923 312.817,300.952 312.788,300.923 277.317,300.923
no net on Bottom Layer "GND" (solid, remove dead copper, pour order 4): 123.317,399.923 158.817,399.923 158.817,351.952 158.788,351.923 123.317,351.923
no net on Bottom Layer "GND" (solid, remove dead copper, pour order 4): 161.817,399.923 197.317,399.923 197.317,351.952 197.288,351.923 161.817,351.923
no net on Bottom Layer "GND" (solid, remove dead copper, pour order 4): 200.317,399.923 235.817,399.923 235.817,351.952 235.788,351.923 200.317,351.923
no net on Bottom Layer "GND" (solid, remove dead copper, pour order 4): 238.817,399.923 274.317,399.923 274.317,351.952 274.288,351.923 238.817,351.923
no net on Bottom Layer "GND" (solid, remove dead copper, pour order 4): 277.317,399.923 312.817,399.923 312.817,351.952 312.788,351.923 277.317,351.923
no net on Top Layer "GND" (solid, remove dead copper, pour order 3): 123.317,246.923 158.817,246.923 158.817,198.952 158.788,198.923 123.317,198.923
no net on Top Layer "GND" (solid, remove dead copper, pour order 3): 161.817,246.923 197.317,246.923 197.317,198.952 197.288,198.923 161.817,198.923
no net on Top Layer "GND" (solid, remove dead copper, pour order 3): 200.317,246.923 235.817,246.923 235.817,198.952 235.788,198.923 200.317,198.923
no net on Top Layer "GND" (solid, remove dead copper, pour order 3): 238.817,246.923 274.317,246.923 274.317,198.952 274.288,198.923 238.817,198.923
no net on Top Layer "GND" (solid, remove dead copper, pour order 3): 277.317,246.923 312.817,246.923 312.817,198.952 312.788,198.923 277.317,198.923
no net on Top Layer "GND" (solid, remove dead copper, pour order 3): 123.317,297.923 158.817,297.923 158.817,249.952 158.788,249.923 123.317,249.923
no net on Top Layer "GND" (solid, remove dead copper, pour order 3): 161.817,297.923 197.317,297.923 197.317,249.952 197.288,249.923 161.817,249.923
no net on Top Layer "GND" (solid, remove dead copper, pour order 3): 200.317,297.923 235.817,297.923 235.817,249.952 235.788,249.923 200.317,249.923
no net on Top Layer "GND" (solid, remove dead copper, pour order 3): 238.817,297.923 274.317,297.923 274.317,249.952 274.288,249.923 238.817,249.923
no net on Top Layer "GND" (solid, remove dead copper, pour order 3): 277.317,297.923 312.817,297.923 312.817,249.952 312.788,249.923 277.317,249.923
no net on Top Layer "GND" (solid, remove dead copper, pour order 3): 123.317,348.923 158.817,348.923 158.817,300.952 158.788,300.923 123.317,300.923
no net on Top Layer "GND" (solid, remove dead copper, pour order 3): 161.817,348.923 197.317,348.923 197.317,300.952 197.288,300.923 161.817,300.923
no net on Top Layer "GND" (solid, remove dead copper, pour order 3): 200.317,348.923 235.817,348.923 235.817,300.952 235.788,300.923 200.317,300.923
no net on Top Layer "GND" (solid, remove dead copper, pour order 3): 238.817,348.923 274.317,348.923 274.317,300.952 274.288,300.923 238.817,300.923
no net on Top Layer "GND" (solid, remove dead copper, pour order 3): 277.317,348.923 312.817,348.923 312.817,300.952 312.788,300.923 277.317,300.923
no net on Top Layer "GND" (solid, remove dead copper, pour order 3): 123.317,399.923 158.817,399.923 158.817,351.952 158.788,351.923 123.317,351.923
no net on Top Layer "GND" (solid, remove dead copper, pour order 3): 161.817,399.923 197.317,399.923 197.317,351.952 197.288,351.923 161.817,351.923
no net on Top Layer "GND" (solid, remove dead copper, pour order 3): 200.317,399.923 235.817,399.923 235.817,351.952 235.788,351.923 200.317,351.923
no net on Top Layer "GND" (solid, remove dead copper, pour order 3): 238.817,399.923 274.317,399.923 274.317,351.952 274.288,351.923 238.817,351.923
no net on Top Layer "GND" (solid, remove dead copper, pour order 3): 277.317,399.923 312.817,399.923 312.817,351.952 312.788,351.923 277.317,351.923

## Keep-outs
Keep-Out Layer:
  lines w0.254: 136.804,246.939 136.804,249.939 ; 136.804,297.939 136.804,300.939 ; 136.804,348.939 136.804,351.939 ; 142.773,246.939 142.773,249.939 ; 142.773,297.939 142.773,300.939 ; 142.773,348.939 142.773,351.939 ; 158.817,198.923 158.817,246.923 123.317,246.923 123.317,198.923 158.817,198.952 ; 158.817,209.483 161.817,209.483 ; 158.817,215.452 161.817,215.452 ; 158.817,230.21 161.817,230.21 ; 158.817,236.179 161.817,236.179 ; 158.817,249.923 158.817,297.923 123.317,297.923 123.317,249.923 158.817,249.952 ; 158.817,260.483 161.817,260.483 ; 158.817,266.452 161.817,266.452 ; 158.817,281.21 161.817,281.21 ; 158.817,287.179 161.817,287.179 ; 158.817,300.923 158.817,348.923 123.317,348.923 123.317,300.923 158.817,300.952 ; 158.817,311.483 161.817,311.483 ; 158.817,317.452 161.817,317.452 ; 158.817,332.21 161.817,332.21 ; 158.817,338.179 161.817,338.179 ; 158.817,351.923 158.817,399.923 123.317,399.923 123.317,351.923 158.817,351.952 ; 158.817,362.483 161.817,362.483 ; 158.817,368.452 161.817,368.452 ; 158.817,383.21 161.817,383.21 ; 158.817,389.179 161.817,389.179 ; 175.304,246.939 175.304,249.939 ; 175.304,297.939 175.304,300.939 ; 175.304,348.939 175.304,351.939 ; 181.273,246.939 181.273,249.939 ; 181.273,297.939 181.273,300.939 ; 181.273,348.939 181.273,351.939 ; 197.317,198.923 197.317,246.923 161.817,246.923 161.817,198.923 197.317,198.952 ; 197.317,209.483 200.317,209.483 ; 197.317,215.452 200.317,215.452 ; 197.317,230.21 200.317,230.21 ; 197.317,236.179 200.317,236.179 ; 197.317,249.923 197.317,297.923 161.817,297.923 161.817,249.923 197.317,249.952 ; 197.317,260.483 200.317,260.483 ; 197.317,266.452 200.317,266.452 ; 197.317,281.21 200.317,281.21 ; 197.317,287.179 200.317,287.179 ; 197.317,300.923 197.317,348.923 161.817,348.923 161.817,300.923 197.317,300.952 ; 197.317,311.483 200.317,311.483 ; 197.317,317.452 200.317,317.452 ; 197.317,332.21 200.317,332.21 ; 197.317,338.179 200.317,338.179 ; 197.317,351.923 197.317,399.923 161.817,399.923 161.817,351.923 197.317,351.952 ; 197.317,362.483 200.317,362.483 ; 197.317,368.452 200.317,368.452 ; 197.317,383.21 200.317,383.21 ; 197.317,389.179 200.317,389.179 ; 213.804,246.939 213.804,249.939 ; 213.804,297.939 213.804,300.939 ; 213.804,348.939 213.804,351.939 ; 219.773,246.939 219.773,249.939 ; 219.773,297.939 219.773,300.939 ; 219.773,348.939 219.773,351.939 ; 235.817,198.923 235.817,246.923 200.317,246.923 200.317,198.923 235.817,198.952 ; 235.817,209.483 238.817,209.483 ; 235.817,215.452 238.817,215.452 ; 235.817,230.21 238.817,230.21 ; 235.817,236.179 238.817,236.179 ; 235.817,249.923 235.817,297.923 200.317,297.923 200.317,249.923 235.817,249.952 ; 235.817,260.483 238.817,260.483 ; 235.817,266.452 238.817,266.452 ; 235.817,281.21 238.817,281.21 ; 235.817,287.179 238.817,287.179 ; 235.817,300.923 235.817,348.923 200.317,348.923 200.317,300.923 235.817,300.952 ; 235.817,311.483 238.817,311.483 ; 235.817,317.452 238.817,317.452 ; 235.817,332.21 238.817,332.21 ; 235.817,338.179 238.817,338.179 ; 235.817,351.923 235.817,399.923 200.317,399.923 200.317,351.923 235.817,351.952 ; 235.817,362.483 238.817,362.483 ; 235.817,368.452 238.817,368.452 ; 235.817,383.21 238.817,383.21 ; 235.817,389.179 238.817,389.179 ; 252.304,246.939 252.304,249.939 ; 252.304,297.939 252.304,300.939 ; 252.304,348.939 252.304,351.939 ; 258.273,246.939 258.273,249.939 ; 258.273,297.939 258.273,300.939 ; 258.273,348.939 258.273,351.939 ; 274.317,198.923 274.317,246.923 238.817,246.923 238.817,198.923 274.317,198.952 ; 274.317,209.483 277.317,209.483 ; 274.317,215.452 277.317,215.452 ; 274.317,230.21 277.317,230.21 ; 274.317,236.179 277.317,236.179 ; 274.317,249.923 274.317,297.923 238.817,297.923 238.817,249.923 274.317,249.952 ; 274.317,260.483 277.317,260.483 ; 274.317,266.452 277.317,266.452 ; 274.317,281.21 277.317,281.21 ; 274.317,287.179 277.317,287.179 ; 274.317,300.923 274.317,348.923 238.817,348.923 238.817,300.923 274.317,300.952 ; 274.317,311.483 277.317,311.483 ; 274.317,317.452 277.317,317.452 ; 274.317,332.21 277.317,332.21 ; 274.317,338.179 277.317,338.179 ; 274.317,351.923 274.317,399.923 238.817,399.923 238.817,351.923 274.317,351.952 ; 274.317,362.483 277.317,362.483 ; 274.317,368.452 277.317,368.452 ; 274.317,383.21 277.317,383.21 ; 274.317,389.179 277.317,389.179 ; 290.804,246.939 290.804,249.939 ; 290.804,297.939 290.804,300.939 ; 290.804,348.939 290.804,351.939 ; 296.773,246.939 296.773,249.939 ; 296.773,297.939 296.773,300.939 ; 296.773,348.939 296.773,351.939 ; 312.817,198.923 312.817,246.923 277.317,246.923 277.317,198.923 312.817,198.952 ; 312.817,249.923 312.817,297.923 277.317,297.923 277.317,249.923 312.817,249.952 ; 312.817,300.923 312.817,348.923 277.317,348.923 277.317,300.923 312.817,300.952 ; 312.817,351.923 312.817,399.923 277.317,399.923 277.317,351.923 312.817,351.952

## Other copper
Top Layer:
  rectangle: 147.93,209.306 150.317,211.211
  rectangle: 186.43,209.306 188.817,211.211
  rectangle: 224.93,209.306 227.317,211.211
  rectangle: 263.43,209.306 265.817,211.211
  rectangle: 301.93,209.306 304.317,211.211
  rectangle: 147.93,260.306 150.317,262.211
  rectangle: 186.43,260.306 188.817,262.211
  rectangle: 224.93,260.306 227.317,262.211
  rectangle: 263.43,260.306 265.817,262.211
  rectangle: 301.93,260.306 304.317,262.211
  rectangle: 147.93,311.306 150.317,313.211
  rectangle: 186.43,311.306 188.817,313.211
  rectangle: 224.93,311.306 227.317,313.211
  rectangle: 263.43,311.306 265.817,313.211
  rectangle: 301.93,311.306 304.317,313.211
  rectangle: 147.93,362.306 150.317,364.211
  rectangle: 186.43,362.306 188.817,364.211
  rectangle: 224.93,362.306 227.317,364.211
  rectangle: 263.43,362.306 265.817,364.211
  rectangle: 301.93,362.306 304.317,364.211
Bottom Layer:
  region: 151.206,208.721 146.99,208.721 146.99,207.197 151.206,207.197
  region: 189.706,208.721 185.49,208.721 185.49,207.197 189.706,207.197
  region: 228.206,208.721 223.99,208.721 223.99,207.197 228.206,207.197
  region: 266.706,208.721 262.49,208.721 262.49,207.197 266.706,207.197
  region: 305.206,208.721 300.99,208.721 300.99,207.197 305.206,207.197
  region: 151.206,259.721 146.99,259.721 146.99,258.197 151.206,258.197
  region: 189.706,259.721 185.49,259.721 185.49,258.197 189.706,258.197
  region: 228.206,259.721 223.99,259.721 223.99,258.197 228.206,258.197
  region: 266.706,259.721 262.49,259.721 262.49,258.197 266.706,258.197
  region: 305.206,259.721 300.99,259.721 300.99,258.197 305.206,258.197
  region: 151.206,310.721 146.99,310.721 146.99,309.197 151.206,309.197
  region: 189.706,310.721 185.49,310.721 185.49,309.197 189.706,309.197
  region: 228.206,310.721 223.99,310.721 223.99,309.197 228.206,309.197
  region: 266.706,310.721 262.49,310.721 262.49,309.197 266.706,309.197
  region: 305.206,310.721 300.99,310.721 300.99,309.197 305.206,309.197
  region: 151.206,361.721 146.99,361.721 146.99,360.197 151.206,360.197
  region: 189.706,361.721 185.49,361.721 185.49,360.197 189.706,360.197
  region: 228.206,361.721 223.99,361.721 223.99,360.197 228.206,360.197
  region: 266.706,361.721 262.49,361.721 262.49,360.197 266.706,360.197
  region: 305.206,361.721 300.99,361.721 300.99,360.197 305.206,360.197

## Silkscreen, mask and mechanical layers (free items; w line width, h text height)
Top Overlay:
  text "HEIM - V4.1" at 125.603,358.927 h3
  text "HEIM - V4.1" at 164.103,358.927 h3
  text "HEIM - V4.1" at 202.603,358.927 h3
  text "HEIM - V4.1" at 241.103,358.927 h3
  text "HEIM - V4.1" at 279.603,358.927 h3
  text "HEIM - V4.1" at 125.603,307.927 h3
  text "HEIM - V4.1" at 164.103,307.927 h3
  text "HEIM - V4.1" at 202.603,307.927 h3
  text "HEIM - V4.1" at 241.103,307.927 h3
  text "HEIM - V4.1" at 279.603,307.927 h3
  text "HEIM - V4.1" at 125.603,256.927 h3
  text "HEIM - V4.1" at 164.103,256.927 h3
  text "HEIM - V4.1" at 202.603,256.927 h3
  text "HEIM - V4.1" at 241.103,256.927 h3
  text "HEIM - V4.1" at 279.603,256.927 h3
  text "HEIM - V4.1" at 125.603,205.927 h3
  text "HEIM - V4.1" at 164.103,205.927 h3
  text "HEIM - V4.1" at 202.603,205.927 h3
  text "HEIM - V4.1" at 241.103,205.927 h3
  text "HEIM - V4.1" at 279.603,205.927 h3

## Text inside footprints (layer, text, board x,y; h text height)
U1: Top Overlay "OPEN" at 143.478,224.364 h0.5 r180; Top Overlay "LOCK" at 143.478,234.091 h0.5 r180
U1: Top Overlay "OPEN" at 181.978,224.364 h0.5 r180; Top Overlay "LOCK" at 181.978,234.091 h0.5 r180
U1: Top Overlay "OPEN" at 220.478,224.364 h0.5 r180; Top Overlay "LOCK" at 220.478,234.091 h0.5 r180
U1: Top Overlay "OPEN" at 258.978,224.364 h0.5 r180; Top Overlay "LOCK" at 258.978,234.091 h0.5 r180
U1: Top Overlay "OPEN" at 297.478,224.364 h0.5 r180; Top Overlay "LOCK" at 297.478,234.091 h0.5 r180
U1: Top Overlay "OPEN" at 143.478,275.364 h0.5 r180; Top Overlay "LOCK" at 143.478,285.091 h0.5 r180
U1: Top Overlay "OPEN" at 181.978,275.364 h0.5 r180; Top Overlay "LOCK" at 181.978,285.091 h0.5 r180
U1: Top Overlay "OPEN" at 220.478,275.364 h0.5 r180; Top Overlay "LOCK" at 220.478,285.091 h0.5 r180
U1: Top Overlay "OPEN" at 258.978,275.364 h0.5 r180; Top Overlay "LOCK" at 258.978,285.091 h0.5 r180
U1: Top Overlay "OPEN" at 297.478,275.364 h0.5 r180; Top Overlay "LOCK" at 297.478,285.091 h0.5 r180
U1: Top Overlay "OPEN" at 143.478,326.364 h0.5 r180; Top Overlay "LOCK" at 143.478,336.091 h0.5 r180
U1: Top Overlay "OPEN" at 181.978,326.364 h0.5 r180; Top Overlay "LOCK" at 181.978,336.091 h0.5 r180
U1: Top Overlay "OPEN" at 220.478,326.364 h0.5 r180; Top Overlay "LOCK" at 220.478,336.091 h0.5 r180
U1: Top Overlay "OPEN" at 258.978,326.364 h0.5 r180; Top Overlay "LOCK" at 258.978,336.091 h0.5 r180
U1: Top Overlay "OPEN" at 297.478,326.364 h0.5 r180; Top Overlay "LOCK" at 297.478,336.091 h0.5 r180
U1: Top Overlay "OPEN" at 143.478,377.364 h0.5 r180; Top Overlay "LOCK" at 143.478,387.091 h0.5 r180
U1: Top Overlay "OPEN" at 181.978,377.364 h0.5 r180; Top Overlay "LOCK" at 181.978,387.091 h0.5 r180
U1: Top Overlay "OPEN" at 220.478,377.364 h0.5 r180; Top Overlay "LOCK" at 220.478,387.091 h0.5 r180
U1: Top Overlay "OPEN" at 258.978,377.364 h0.5 r180; Top Overlay "LOCK" at 258.978,387.091 h0.5 r180
U1: Top Overlay "OPEN" at 297.478,377.364 h0.5 r180; Top Overlay "LOCK" at 297.478,387.091 h0.5 r180